# Altium PCB mb1260.PcbDoc (part 4 of 7) (continued)
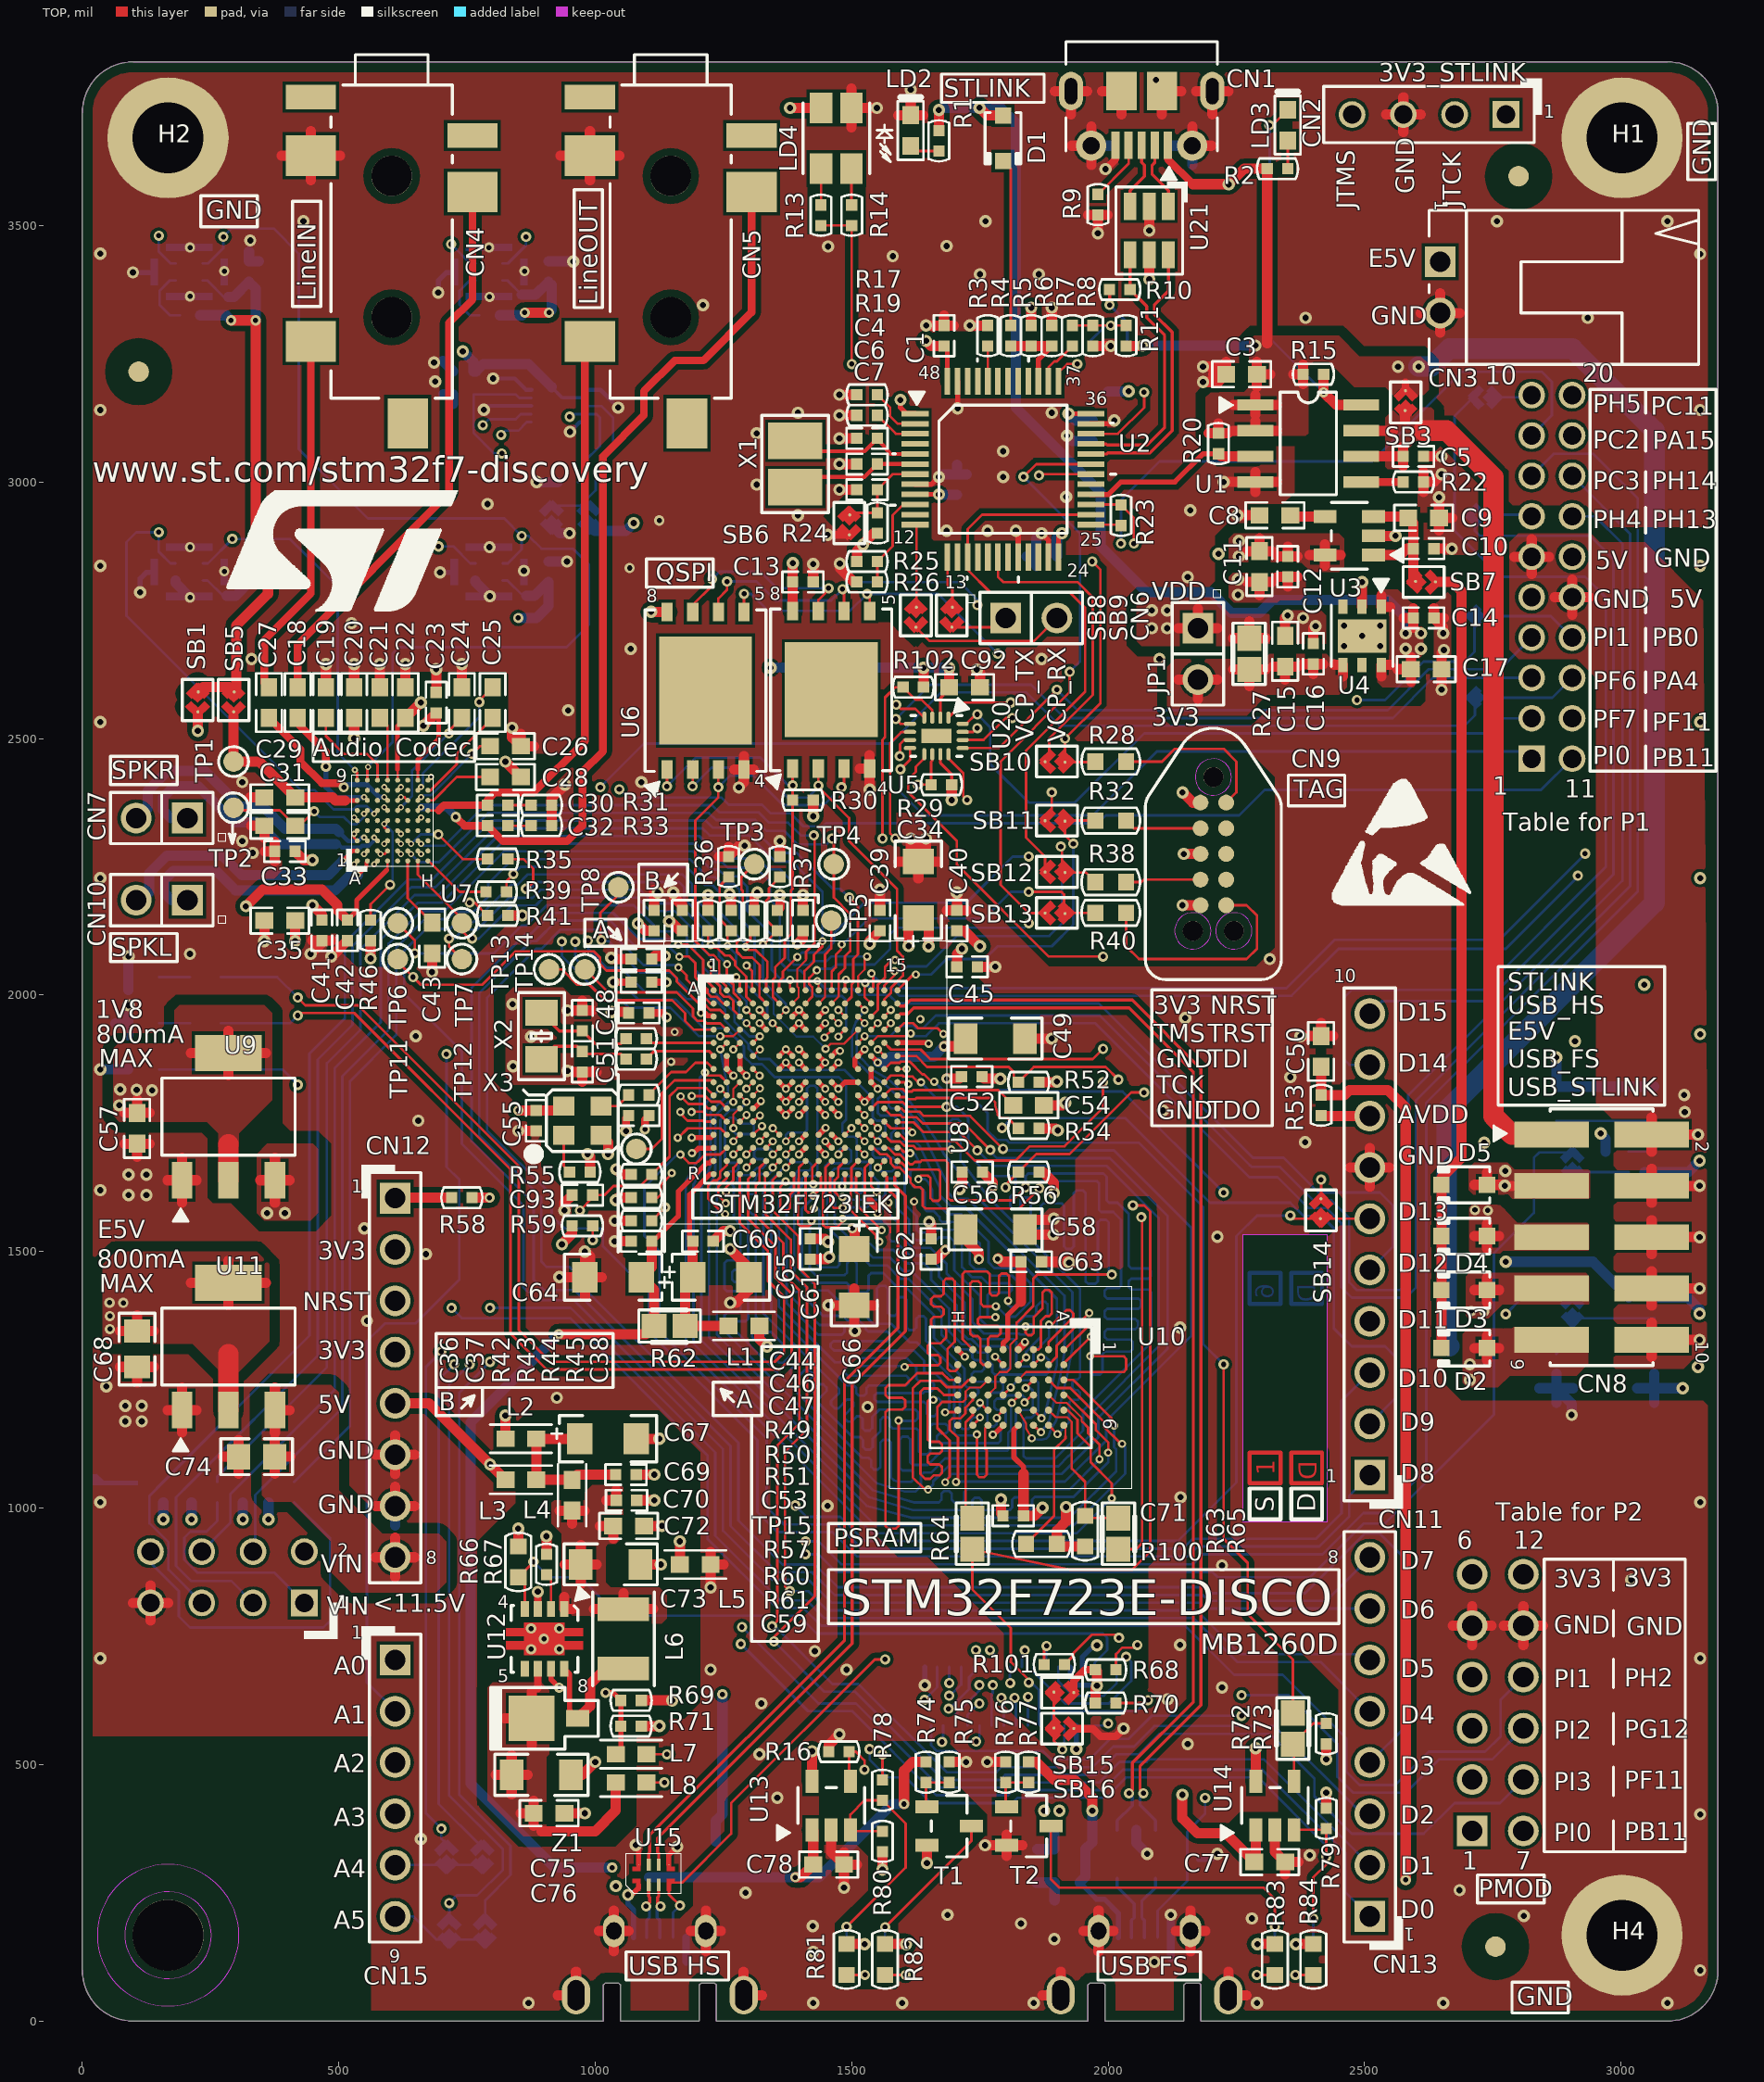
[diagram p0: TOP view]
## Nets (pads, with @x,y where several pads share a name; then routed paths per layer and width w, separated by ;. In a path a pad name is that pad's centre, name@x,y a point inside that pad or via, vN(x,y) a via of type N, cw(c..) or ccw(c..) an arc to the next point about the centre after c; other vN are vias at no path point) (continued)
  TOP w5: U8.C13@1537.95,1957.95 1551.04,1971.04 1551.04,2020.04 1565,2034 1565,2054.75 1570,2059.75 1570,2060 1578.25,2068.25 v3(1584.37,2068.25) ; U20.1@1688.62,2540.62 1718,2570 v2(1810,2570)
  L4_SIG w4: v3(1584.37,2068.25) 1590,2073.88 1590,2135 1795,2340 1795,2555 v2(1810,2570)
PMOD_SPI2_NSS: U8.E14 U20.9 | length 1254.8
  TOP w5: U8.E14@1563.54,1906.77 1576.63,1893.68 1634.49,1893.68 1653.17,1875 1970,1875 v2(1990,1895) ; U20.9@1641.38,2469.38 1641.38,2461.38 1625,2445 1625,2435 1610,2420 1610,2395 1705,2300 1705,2254 1884,2075 v2(1990,2075)
  L4_SIG w4: v2(1990,1895) v2(1990,2075)
PMOD_SPI2_SCK: U8.D14 U20.14 | length 843.6
  TOP w5: U8.D14@1563.54,1932.36 v3(1576.27,1945.09) ; U20.14@1716.37,2497.13 1757.13,2497.13 1800,2540 v2(1813,2540)
  L4_SIG w4: v3(1576.27,1945.09) 1590.25,1959.07 1590.25,1977.01 1675,2061.76 1675,2140 1785,2250 1785,2310 1835,2360 1835,2518 v2(1813,2540)
PMOD_UART7_CTS: U8.L2 U20.7 | length 1250.2
  TOP w5: v3(1187.77,1772) 1188.48,1772 1188.98,1772.5 1210.23,1772.5 1216.41,1766.32 1243.37,1766.32 U8.L2@1256.46,1753.23 ; v2(1593.67,2465.52) 1594.13,2465.98 1594.13,2489.13 1602.13,2497.13 U20.7@1613.63,2497.13
  L4_SIG w4: v3(1187.77,1772) 1202,1786.23 1202,1835 1199,1838 1199,1857 1225,1883 1225,1965.8 1211.8,1979 1211,1979 1145,2045 1126,2045 1117,2054 1117,2154 1097.51,2173.49 1097.51,2217.51 1240,2360 1305,2360 1390,2445 1490,2445 1510.52,2465.52 v2(1593.67,2465.52)
PMOD_UART7_RTS: U8.L3 U20.12 | length 1364.6
  TOP w4: U8.L3@1282.05,1753.23 1294.78,1765.96 v3(1294.91,1765.96)
  TOP w5: U20.12@1688.62,2469.38 1688.62,2461.38 1717.5,2432.5 1717.5,2387.5 v2(1725,2380)
  L4_SIG w4: v3(1294.91,1765.96) 1308.08,1779.13 1335,1779.13 1339,1783.13 1339,1828.68 1343,1832.68 1343,1854.56 1339,1858.56 1339,1908 1363,1932 1363,1947.98 1341.68,1969.3 1341.68,1975.32 1324,1993 1251,1993 1204,2040 1204,2184.12 1201,2187.12 1201,2261 1261,2321 1326.54,2321 1335,2329.46 1444.46,2329.46 1480,2365 1640,2365 1675,2400 1705,2400 v2(1725,2380)
PMOD_UART7_RXD: U8.K2 U20.4 | length 1286.1
  TOP w5: v3(1188,1803) 1214.6,1803 1225.69,1791.91 1243.37,1791.91 U8.K2@1256.46,1778.82 ; v2(1587,2566) 1595,2558 1624,2558 U20.4@1641.38,2540.62
  L4_SIG w4: v3(1188,1803) 1187,1804 1187,1861.98 1199,1873.98 1199,1945 1180.35,1963.65 1180.35,1975.61 1153.96,2002 1124,2002 1104,2022 1104,2147 1079,2172 1079,2223 1229,2373 1298,2373 1385,2460 1481,2460 v2(1587,2566)
PMOD_UART7_TXD: U8.K1 U20.15 | length 1474.7
  TOP w5: v3(1166.47,1802.53) 1181.5,1787.5 1211.32,1787.5 1220,1778.82 U8.K1@1230.87,1778.82 ; U20.15@1716.37,2512.87 1736.87,2512.87 1744,2520 v2(1745,2520)
  L4_SIG w4: v3(1166.47,1802.53) 1173,1809.06 1173,1809.22 1175,1811.22 1175,1866.96 1184,1875.96 1184,1943 1168.35,1958.65 1168.35,1970.63 1153.25,1985.73 1116.27,1985.73 1072,2030 1072,2096 1056,2112 1056,2224 1217,2385 1290,2385 1380,2475 1470,2475 1580,2585 1679,2585 1744,2520 v2(1745,2520)
PSRAM_A0: R101.1 U8.E2 U10.A3 | length 2391.5
  TOP w5: v3(1243.73,1894.04) U8.E2@1256.46,1906.77 ; U10.A3@1913.35,1249.76 1932.24,1249.76 2005.5,1176.5 v3(2011.5,1161) ; R101.1@1915,695 1932.5,712.5 1932.5,717.5 1968,753 2015,753 v2(2021.02,746.98)
  L4_SIG w4: v3(2011.5,1161) 2015,1161 2043,1133 2043,768.96 v2(2021.02,746.98)
  BOTTOM w5: v3(1243.73,1894.04) 1255,1834 1259,1821.2 1259,1806 1225,1772 1225,1668 1207.03,1624.79 1206.7,1624 1206.7,1326.86 1529.28,1004.28 1617,981 1925,981 2015.5,1071.5 2015.5,1114.43 2011.5,1118.43 v3(2011.5,1161)
PSRAM_A1: U8.H3 U10.A4 | length 1727.7
  TOP w4: v3(1269.13,1791.62) 1269.13,1817.08 U8.H3@1282.05,1830
  TOP w5: U10.A4@1913.35,1220.24 1918.76,1220.24 1976,1163 1976,1152 2000,1128 v3(2000,1108)
  BOTTOM w5: v3(1269.13,1791.62) 1260.62,1791.62 1234,1765 1234,1655 1221.7,1624.7 1221.7,1333.08 1533.28,1021.5 1619.11,996 1730,996 1735,1001 1735,1015 1740,1020 1748.5,1020 1753.5,1015 1753.5,1001 1758.5,996 1807.84,996 1812.84,1001 1812.84,1016 1817.84,1021 1827.84,1021 1832.84,1016 1832.84,1001 1837.84,996 1846.84,996 1851.84,1001 1851.84,1016.5 1856.84,1021.5 1932.5,1021.5 2000,1089 v3(2000,1108)
PSRAM_A2: U8.H2 U10.A5 | length 1820.5
  TOP w5: v3(1214,1849) 1219.91,1843.09 1243.37,1843.09 U8.H2@1256.46,1830 ; U10.A5@1913.35,1190.71 1921.26,1190.71 1940,1171.97 1940,1145.56 1966,1119.56 1966,1089 2007,1048 v3(2007,1019)
  BOTTOM w5: v3(1214,1849) 1203.5,1838.5 1203.5,1684.8 1200,1678.56 1176.7,1637 1176.7,1314.3 1540,951 1939,951 v3(2007,1019)
PSRAM_A3: U8.J2 U10.B3 | length 1823.7
  TOP w4: v3(1243.79,1817.2) 1256.46,1804.53 U8.J2@1256.46,1804.41
  TOP w5: U10.B3@1883.82,1249.76 1899.58,1234 1926.22,1234 1991,1169.22 1991,1159 2024.85,1125.15 v3(2027,1125.15)
  BOTTOM w4: 1216,1789.41 v3(1243.79,1817.2)
  BOTTOM w5: 1216,1789.41 1216,1676.08 1200,1646.4 1191.7,1631 1191.7,1320.64 1546.34,966 1932,966 2033,1067 2033,1119.15 v3(2027,1125.15)
PSRAM_A4: U8.J3 U10.B4 | length 1632.9
  TOP w4: U8.J3@1282.05,1804.41 1293,1793.46 1293,1793.33 v3(1294.72,1791.61) ; U10.B4@1883.82,1220.24 1899.06,1205 1919,1205 1948.5,1175.5 1948.5,1169.28 1950,1167.78
  TOP w5: 1950,1167.78 1961,1156.78 1961,1145.78 1983,1123.78 v3(1983,1095)
  BOTTOM w5: v3(1294.72,1791.61) 1294.72,1789.72 1280.94,1775.94 1262.99,1775.94 1244,1756.95 1244,1647 1237,1625 1237,1339 1541.2,1034.8 1621.34,1011 1670,1011 1675,1016 1675,1028 1680,1033 1690,1033 1695,1028 1695,1016 1700,1011 1715,1011 1720,1016 1720,1031.5 1725,1036.5 1924.5,1036.5 v3(1983,1095)
PSRAM_A5: U8.K3 U10.C3 | length 1634.6
  TOP w4: v3(1269.27,1740.45) 1269.27,1767.27 1280.82,1778.82 U8.K3@1282.05,1778.82
  TOP w5: v3(1839,1234) 1839,1234.47 U10.C3@1854.29,1249.76
  BOTTOM w5: v3(1269.27,1740.45) 1269.27,1734 1274.27,1729 1304.18,1729 1309.18,1734 1309.18,1745.82 1305.64,1749.36 1282.64,1749.36 1271,1761 1263,1761 1253,1751 1253,1678 1258,1673 1274,1673 1279,1668 1279,1661 1274,1656 1260,1656 1255,1651 1255,1637 1260,1632 1264.95,1632 1269.95,1627 1269.95,1566.05 1283,1553 1283,1487.55 1278,1482.55 1257,1482.55 1252,1477.55 1252,1427.55 1257,1422.55 1278,1422.55 1283,1417.55 1283,1385.5 1278,1380.5 1256.5,1380.5 1252,1376 1252,1345.22 1549.12,1048.1 1603.36,1032 1624,1032 1635,1043 1635,1064 1640,1069 1654.56,1069 1682.06,1096.5 1814.5,1096.5 1820,1102 1820,1186 1825,1191 1848,1191 1853,1196 1853,1228.99 1848,1233.99 v3(1839,1234)
PSRAM_A6: U8.P6 U10.C4 | length 1638.6
  TOP w5: v3(1346.09,1663.6) 1358.82,1676.33 U8.P6@1358.82,1676.46 ; v3(1837.06,1205.75) 1851.55,1220.24 U10.C4@1854.29,1220.24
  BOTTOM w5: 1326.92,1334.5 1319.74,1327.32 1312.68,1327.32 1305.61,1334.39 1305.61,1342.61 1321.53,1358.53 1321.53,1364.47 1313,1373 1313,1567.44 1308,1572.44 1306,1572.44 1299.95,1578.49 1299.95,1588.39 1304,1592.44 1308,1592.44 1313,1597.44 1313,1607 1308,1612 1301,1612 1296,1617 1296,1630 1301,1635 1308,1635 1313,1640 1313,1647 1317,1651 1339,1651 1346.09,1658.09 v3(1346.09,1663.6) ; 1326.94,1334.5 1335.68,1343.24 1342.76,1343.24 1366.81,1319.19 1366.81,1312.11 1351.89,1297.19 1351.89,1290.11 1358.96,1283.04 1366.04,1283.04 1380.96,1297.96 1388.04,1297.96 1395.11,1290.89 1395.11,1283.81 1380.19,1268.89 1380.19,1261.81 1387.26,1254.74 1394.34,1254.74 1409.26,1269.66 1416.34,1269.66 1423.41,1262.59 1423.41,1255.51 1408.49,1240.59 1408.49,1233.51 1415.56,1226.44 1422.64,1226.44 1437.56,1241.36 1444.64,1241.36 1450.96,1235.04 1450.96,1227.96 1435.01,1212.01 1435.01,1204.65 1501.66,1138 1517,1138 1522,1133 1522,1119 1527,1114 1536,1114 1541,1119 1541,1135 1556,1150 1556,1172 1561,1177 1570,1177 1575,1172 1575,1160 1580,1155 1626,1155 1631,1150 1631,1110 1636,1105 1648,1105 1653,1110 1653,1159 1658,1164 1683,1164 1688,1159 1688,1150 1683,1145 1671,1145 1666,1140 1666,1131.51 1671,1126.51 1682.05,1126.51 1785.5,1126.5 1790,1131 1790,1155 1800,1165 1800,1186 1795,1191 1783,1191 1778,1196 1778,1208 1783,1213 1797,1213 1803.4,1219.4 1833,1219.4 1837.06,1215.34 v3(1837.06,1205.75)
PSRAM_A7: U8.N6 U10.D4 | length 1637.2
  TOP w5: v3(1346.09,1689.19) 1358.82,1701.92 U8.N6@1358.82,1702.05 ; v3(1812.11,1204.9) 1824.76,1217.55 U10.D4@1824.76,1220.24
  BOTTOM w5: v3(1346.09,1689.19) 1346.09,1695 1341.09,1700 1315,1700 1310,1695 1310,1685 1315,1680 1327,1680 1331.59,1675.41 1331.59,1668 1326.59,1663 1315,1663 1306.1,1654.1 1306,1654.1 1301,1649.1 1282,1649.1 1277,1644.1 1277,1636 1284.95,1628.05 1284.95,1572.27 1298,1559.22 1298,1469 1293,1464 1271,1464 1267,1460 1267,1445 1271,1441 1293,1441 1298,1436 1298,1369 1293,1364 1274,1364 1269,1359 1269,1349.44 1520.44,1098 1533,1098 1538,1093 1538,1080.44 1543.44,1075 1551,1075 1556,1080 1556,1128 1561,1133 1571,1133 1576,1128 1576,1060 1582,1054 1592.11,1051 1616,1051 1620,1055 1620,1069 1616,1073 1599,1073 1594,1078 1594,1134 1599,1139 1609,1139 1614,1134 1614,1089.01 1619,1084.01 1648.35,1084.01 1675.84,1111.5 1802.5,1111.5 1805,1114 1805,1146.22 1810.36,1151.58 1810.36,1203.15 v3(1812.11,1204.9)
PSRAM_A8: U8.R7 U10.H2 | length 1635.3
  TOP w5: v3(1371.26,1636.74) 1361,1626.48 1361,1585.88 1366.88,1580 1375,1580 1380,1585 1380,1611.22 1387.5,1618.72 1387.5,1645.82 1388,1646.32 1388,1647.87 1385,1650.87 U8.R7@1384.41,1650.87 ; v3(1603,1275) 1606,1278 1668,1278 1673,1283 1673,1293 1668,1298 1653,1298 1648,1303 1648,1316 1653,1321 1673,1321 1684,1332 1684,1347.54 1679,1352.54 1660,1352.54 1655,1357.54 1655,1367.54 1660,1372.54 1674,1372.54 1679,1377.54 1679,1387.54 1674,1392.54 1660,1392.54 1655,1397.54 1655,1407.54 1660,1412.54 1674,1412.54 1679,1417.54 1679,1442 1684,1447 1696,1447 1701,1442 1701,1324 1686.65,1309.65 1686.65,1272 1691.65,1267 1701.65,1267 1706.65,1272 U10.H2@1706.65,1279.29
  BOTTOM w5: v3(1371.26,1636.74) 1371.13,1636.74 1371,1636.61 1353.34,1636.61 1343,1626.27 1343,1387.22 1491.22,1239 1504,1239 1509,1234 1509,1224 1514,1219 1524,1219 1529,1224 1529,1234 1534,1239 1542.76,1239 1555.19,1239.01 1606,1239 1611,1244 1611,1253 1606,1258 1492,1258 1487,1263 1487,1272 1492,1277 1601,1277 v3(1603,1275)
PSRAM_A9: U8.P7 U10.H3 | length 1644.5
  TOP w5: v3(1371.61,1663.54) 1371.61,1663.66 U8.P7@1384.41,1676.46 ; v3(1591.5,1170.5) 1591.5,965 1586.5,960 1571,960 1566,965 1566,1187 1571,1192 1599,1192 1604,1197 1604,1210 1599,1215 1571,1215 1566,1220 1566,1234.22 1571,1239.22 1604,1239.22 1627.78,1263 1676.77,1263 1690.01,1249.76 U10.H3@1706.65,1249.76
  BOTTOM w5: v3(1371.61,1663.54) 1367.54,1663.54 1328,1624 1328,1379.22 1475.73,1231.49 1475.73,1224.41 1459.7,1208.38 1459.7,1201.52 1466.99,1194.23 1473.85,1194.23 1490.77,1211.15 1497.85,1211.15 1503.42,1205.58 1503.42,1198.5 1486.5,1181.58 1486.5,1174.5 1492.46,1168.54 1499.54,1168.54 1510,1179 1516,1179 1521,1174 1521,1156 1526,1151 1535,1151 1540,1156 1540,1178 1554,1192 1624,1192 1629,1187 1629,1175 1624,1170 1592,1170 v3(1591.5,1170.5)
PSRAM_A10: U8.N7 U10.H4 | length 1629.6
  TOP w4: v3(1371.68,1689.19) 1384.41,1701.92 U8.N7@1384.41,1702.05
  TOP w5: v3(1659,1211) 1651,1211 1648,1208 1648,1134 1653,1129 1671,1129 1676,1124 1676,1111 1671,1106 1653,1106 1648,1101 1648,1090 1653,1085 1671,1085 1676,1080 1676,1068.56 1671,1063.56 1659.56,1063.56 1653,1057 1643.22,1057 1634,1066.22 1634,1226.78 1640.22,1233 1667,1233 1679.76,1220.24 U10.H4@1706.65,1220.24
  BOTTOM w5: v3(1371.68,1689.19) 1371.68,1683.98 1381.66,1674 1417,1674 1422,1669 1422,1663 1417,1658 1396,1658 1391,1653 1391,1635 1376.01,1620.01 1362,1620.01 1358,1616.01 1358,1393.44 1467.44,1284 1477.78,1284 1485.78,1292 1608,1292 1626,1274 1626,1252 1631,1247 1655,1247 1660,1242 1660,1232 1655,1227 1642,1227 1639,1224 1548.98,1224 1544,1219.02 1544,1211.98 1548.98,1207 1641,1207 1646,1202 1646,1184 1651,1179 1661,1179 1666,1184 1666,1195 1673.63,1202.63 1673.63,1209.37 1668.87,1214.13 1662.13,1214.13 v3(1659,1211)
PSRAM_A11: U8.M7 U10.H5 | length 1633.1
  TOP w4: v3(1371.55,1714.78) U8.M7@1384.41,1727.64
  TOP w5: v3(1682,1186.5) 1682.5,1187 1702.94,1187 U10.H5@1706.65,1190.71
  BOTTOM w5: v3(1371.55,1714.78) 1371.55,1727 1376.55,1732 1408,1732 1413,1737 1413,1818 1418,1823 1428,1823 1433,1818 1433,1652 1428,1647 1408,1647 1403,1642 1403,1627.66 1373,1597.66 1373,1399.66 1434.66,1338 1481,1338 1486,1343 1486,1351.92 1481,1356.92 1437.08,1356.92 1385.04,1408.96 1385.04,1416.04 1390.46,1421.46 1397.54,1421.46 1444,1375 1482,1375 1492,1365 1515,1365 1527,1353 1527,1349 1532,1344 1569,1344 1574,1339 1574,1330 1569,1325 1464,1325 1459,1320 1459,1313.66 1465.66,1307 1621.34,1307 1641,1287.34 1641,1267 1646,1262 1663,1262 1690.01,1234.99 1690.01,1194.51 v3(1682,1186.5)
PSRAM_A12: U8.L15 U10.G3 | length 1775.9
  TOP w5: U8.L15@1589.13,1753.23 1590.36,1752 1620,1752 1639,1733 1708.99,1733 v2(1745,1696.99) ; v3(1649,1036) 1643,1036 1619,1060 1619,1233 1634,1248 1673,1248 1685,1236 1714,1236 1727.76,1249.76 U10.G3@1736.18,1249.76
  BOTTOM w5: v3(1649,1036) 1658.78,1045.78 1658.78,1052 1688.28,1081.5 1902.94,1081.5 1922.44,1101 1923.05,1101 1966,1143.95 1966,1182.44 2098.5,1314.94 2098.5,1565.5 1997,1667 1774.99,1667 v2(1745,1696.99)
PSRAM_A13: U8.K15 U10.G4 | length 1683.9
  TOP w5: U8.K15@1589.13,1778.82 1596.9,1778.82 1603.02,1772.68 1632.32,1772.68 1640.59,1764.41 1730.59,1764.41 v2(1795,1700) ; v3(1703.43,1050.91) 1707,1054.48 1707,1137 1691,1153 1691,1169.68 1696,1174.68 1711.68,1174.68 1721.44,1184.44 1721.44,1195.44 1736.18,1210.18 U10.G4@1736.18,1220.24
  BOTTOM w5: v3(1703.43,1050.91) 1704.02,1051.5 1915.99,1051.5 1996,1131.51 1996,1170 2162,1336 2162,1546 2011,1697 1798,1697 v2(1795,1700)
PSRAM_A14: U8.K14 U10.F3 | length 1755.6
  TOP w4: 1693,1206.74 1717,1206.74 1722,1211.74 1722,1227 1730,1235 1750.95,1235 U10.F3@1765.71,1249.76
  TOP w5: U8.K14@1563.54,1778.82 1576.4,1765.96 1595.04,1765.96 1599,1762 1626,1762 1638.59,1749.41 1718.59,1749.41 v2(1770,1698) ; v3(1682.44,1050.2) 1682.44,1051.85 1691,1060.41 1691,1131.78 1667,1155.78 1667,1197.07 1676.67,1206.74 1693,1206.74
  BOTTOM w5: v3(1682.44,1050.2) 1682.44,1054.44 1694.5,1066.5 1909.77,1066.5 1981,1137.73 1981,1176.22 2116,1311.22 2116,1569 2113.5,1571.5 2113.5,1571.72 2003.22,1682 1783,1682 1770,1695 v2(1770,1698)
PSRAM_A15: U8.K13 U10.F4 | length 1778.9
  TOP w4: U10.F4@1765.71,1220.24 1780,1234.53 1780,1256 1789,1265 1803,1265 1809.25,1271.25 1809.25,1318.25 1821.5,1330.5
  TOP w5: U8.K13@1537.95,1778.82 1550.45,1791.32 1599.37,1791.32 1608.78,1781.91 v2(1685,1781.91) ; 1821.5,1330.5 1821.5,1361.5 1854,1394 1854,1447 1862,1455 v2(2007,1455)
  BOTTOM w5: v2(1685,1781.91) 1705.09,1781.91 1727,1760 1727,1689 1769,1647 1814,1647 1819,1642 1819,1617 1809,1607 1809,1588 1814,1583 1824,1583 1829,1588 1829,1600 1834,1605 1843.9,1605 1848.9,1600 1848.9,1549 1853.9,1544 1863.9,1544 1868.9,1549 1868.9,1589 1873.9,1594 1909,1594 1914,1589 1914,1510 1919,1505 1928,1505 1933,1510 1933,1614 1938,1619 1951,1619 1956,1614 1956,1442 1961,1437 1975,1437 1980,1442 1980,1557 1985,1562 1996,1562 2001,1557 2001,1460 2006,1455 v2(2007,1455)
PSRAM_A16: U8.N14 U10.E4 | length 1633
  TOP w5: U8.N14@1563.54,1702.05 1571.45,1702.05 1584.54,1688.96 1594.31,1688.96 1601.63,1681.64 1601.63,1681.51 1613.14,1670 1618.78,1670 1623.49,1674.71 1633.72,1674.71 1637.01,1678 1682.53,1678 1687.53,1673 1687.53,1604.5 1692.53,1599.5 1813.5,1599.5 v2(1839,1625) ; U10.E4@1795.24,1220.24 v3(1810,1235)
  BOTTOM w5: v3(1810,1235) 1824,1249 1859,1249 1864,1244 1864,1189.81 1855.35,1181.16 1855.35,1181 1850.35,1176 1840,1176 1835,1171 1835,1101.5 1840,1096.5 1896.72,1096.5 1951,1150.78 1951,1190 2083.5,1322.5 2083.5,1421 2078.5,1426 2045,1426 2040,1431 2040,1442.15 2045,1447.15 2078,1447.15 2083,1452.15 2083,1462.15 2078,1467.15 2045,1467.15 2040,1472.15 2040,1573.25 2018.25,1595 2002,1595 1997,1600 1997,1645.78 1990.78,1652 1844,1652 1839,1647 v2(1839,1625)
PSRAM_A17: U8.N13 U10.D3 | length 1699
  TOP w4: U10.D3@1824.76,1249.76 1840,1265 1950,1265
  TOP w5: U8.N13@1537.95,1702.05 1542.95,1702.05 1555.45,1689.55 1568.13,1689.55 1576.04,1681.64 1576.04,1671.87 1583.95,1663.96 1593.72,1663.96 1614.5,1643.18 1614.5,1634.57 1623.57,1625.5 1633.44,1625.5 1638.44,1620.5 1638.44,1589 1643.44,1584 1827,1584 v2(1866,1623) ; 1950,1265 2030,1265 2035,1270 2035,1291 2030,1296 v3(1965,1296)
  BOTTOM w5: v2(1866,1623) 1866,1633 1870,1637 1978,1637 1982,1633 1982,1581.53 1986.53,1577 2010,1577 2025,1562 2025,1433.47 2020,1428.47 1998,1428.47 1993,1423.47 1993,1413.47 1998,1408.47 2059,1408.47 2064,1403.47 2064,1393.47 2059,1388.47 1998,1388.47 1993,1383.47 1993,1373.47 1998,1368.47 2053,1368.47 2058,1363.47 2058,1353.47 2053,1348.47 1998,1348.47 1993,1343.47 1993,1333.47 1998,1328.47 2043,1328.47 2048,1323.47 2048,1310 2043,1305 1994,1305 1989,1300 1989,1265 1984,1260 1970,1260 1965,1265 v3(1965,1296)
PSRAM_NBL0: U8.A4 U10.A1 | length 2095
  TOP w5: v3(1295.26,2057.26) 1305.73,2046.79 1305.73,2011.04 U8.A4@1307.64,2009.13 ; U10.A1@1913.35,1308.82 1914.82,1308.82 v3(1964,1358)
  L4_SIG w4: v3(1295.26,2057.26) 1304,2057.26 1309,2062.26 1309,2145 1314,2150 1337,2150 1342,2145 1342,2062.26 1347,2057.26 1354,2057.26 1359,2062.26 1359,2149 1364,2154 1372,2154 1377,2149 1377,2062.26 1382,2057.26 1411,2057.26 1416,2062.26 1416,2129 1421,2134 1455,2134 1460,2129 1460,2018 1431,1989 1431,1915 1423,1907 1423,1677 1443,1657 1491.68,1657 1535,1613.68 1535,1610.2 1543.2,1602 1554.8,1602 1562.28,1609.48 1578.53,1609.48 1586.73,1601.28 1586.73,1549.67 1616,1520.4 1616,1520.3 1617.49,1518.81 1617.49,1464.51 1629,1453 1862,1453 1886,1429 1886,1401 1891,1396 1903,1396 1908,1401 1908,1428 1913,1433 1965,1433 2008,1390 2008,1363 2003,1358 v3(1964,1358)
PSRAM_NBL1: U8.A3 U10.B2 | length 2090.4
  TOP w5: v3(1275.03,2035.03) v3(1275.03,2035.03) 1282.05,2027.95 U8.A3@1282.05,2009.13 ; U10.B2@1883.82,1279.29 1899.53,1295 1899.53,1316.64 v3(1962.89,1380)
  L4_SIG w4: v3@1275.06,2035 1305,2035 1315,2045 1397,2045 1402,2040 1402,2024 1423,2003 1423,1921 1413,1911 1413,1672 1440,1645 1483.19,1645 1534.19,1594 1553.15,1594 1565.68,1581.47 1570.33,1581.47 1574.18,1577.62 1574.18,1545.24 1604,1515.42 1604,1348.69 1608.69,1344 1615.31,1344 1620,1348.69 1620,1436 1625,1441 1631,1441 1636,1436 1636,1348.69 1640.69,1344 1647.31,1344 1652,1348.69 1652,1436 1657,1441 1663,1441 1668,1436 1668,1348.69 1672.69,1344 1679.31,1344 1684,1348.69 1684,1436.31 1688.69,1441 1695.31,1441 1700,1436.31 1700,1386.69 1704.69,1382 1711.31,1382 1716,1386.69 1716,1436 1721,1441 1857,1441 1874,1424 1874,1385 1879,1380 v3(1962.89,1380)
PSRAM_NE1: R65.1 U8.A11 | length 1764.3
  TOP w5: U8.A11@1486.77,2009.13 1486.77,2028.14 v3(1488.63,2030) ; R65.1@2020,919.49 2054.49,919.49 2066,931 2066,1565.5 v2(2064.5,1567)
  L4_SIG w4: v3(1488.63,2030) 1488.63,2069 1493.63,2074 1504.53,2074 1509.53,2069 1509.53,1888.47 1544,1854 1600,1812.41 1712.77,1812.41 1716.77,1816.41 1716.77,1839 1720.77,1843 1728.77,1843 1732.77,1839 1732.77,1816.41 1736.77,1812.41 1744.77,1812.41 1748.77,1816.41 1748.77,1839 1752.77,1843 1760.77,1843 1764.77,1839 1764.77,1816.41 1768.77,1812.41 1794.59,1812.41 1895,1712 1955,1712 2066.5,1600.5 2066.5,1569 v2(2064.5,1567)
PWR_ENN: R20.1 U1.3 U2.28 | length 355.3
  TOP w10: U2.28@1966.26,2975.79 2000.79,2975.79 2025,3000 2130,3000 2185,3055 R20.1@2215,3055
  TOP w20: R20.1@2215,3055 2220,3050 U1.3@2286.7,3050
PWR_EXT: R4.1 R5.1 R6.2 U2.39 | length 159.6
  TOP w10: U2.39@1863.9,3196.26 1863.9,3238.9 R6.2@1890,3265
  TOP w20: R4.1@1810,3265 R5.1@1850,3265 R6.2@1890,3265
QSPI_CLK: U5.6 U6.6 U8.M6 | length 2309.2
  TOP w5: U6.6@1240,2746.84 1240,2773 1257,2790 v2(1257,2806) ; v3(1346.09,1740.5) 1346.09,1740.37 U8.M6@1358.82,1727.64 ; v2(1482,2791) 1485,2788 U5.6@1485,2748.54
  L4_SIG w4: v3(1346.09,1740.5) 1355,1749.41 1355,1820.39 1361,1826.39 1361,1859.2 1355,1865.2 1355,1898 1369,1912 1402.68,1912 1414,1923.32 1414,1988 1387,2015 1275.26,2015 1261.03,2029.23 1261.03,2041.03 1275,2055 1275,2105 1289,2119 1289,2224 1320,2255 1460,2255 1540,2335 1730,2335 1780,2385 1780,2644 1727.62,2696.38 1727.62,2742.62 v2(1745,2760)
  BOTTOM w5: v2(1257,2806) 1314,2806 1351,2769 1460,2769 v2(1482,2791) 1496,2805 1710.24,2805 1745,2770.24 v2(1745,2760)
QSPI_D0: U5.5 U6.5 U8.F14 | length 1672.6
  TOP w5: U6.5@1290,2746.84 v2(1290,2782) ; v2(1530,2782) 1535,2777 U5.5@1535,2748.54 ; v3(1550.62,1893.98) 1563.42,1881.18 U8.F14@1563.54,1881.18
  L4_SIG w4: v3(1550.62,1893.98) 1550.62,1895.62 1603.3,1948.3 1603.3,1972.35 1621.95,1991 1780,1991 1800,2011 1800,2305 1848,2353 1848,2602 v2(1785,2665)
  BOTTOM w5: v2(1290,2782) 1304,2782 1337,2749 1497,2749 v2(1530,2782) 1668,2782 v2(1785,2665)
QSPI_D1: U5.2 U6.2 U8.B14 | length 870.2
  TOP w5: v2(1189.68,2406.7) 1190,2407.02 U6.2@1190,2439.76 ; U5.2@1435,2441.46 v2(1435,2408) 1435,2405 1495,2345 1495,2300 1588.4,2206.6 1588.4,2086.17 1599.96,2074.61 1599.96,2037.64 1576.63,2014.31 1576.63,2004.54 1563.54,1991.45 U8.B14@1563.54,1983.54
  BOTTOM w5: v2(1189.68,2406.7) 1190.7,2406.7 1227,2443 1317,2443 1375,2385 1415,2385 1435,2405 v2(1435,2408)
QSPI_D2: U5.3 U6.3 U8.A2 | length 806.2
  TOP w5: U6.3@1240,2439.76 v2(1240,2405) 1240,2385 1195,2340 1195,2105 1222,2078 1230.43,2078 1241.5,2066.93 1241.5,2031.23 1255,2017.73 1255,2010.59 U8.A2@1256.46,2009.13 ; v2(1480,2405) 1485,2410 U5.3@1485,2441.46
  BOTTOM w5: v2(1240,2405) 1263,2428 1308.22,2428 1366.22,2370 1445,2370 v2(1480,2405)
QSPI_D3: U5.7 U6.7 U8.M15 | length 2675.5
  TOP w5: U6.7@1190,2746.84 1190,2760 1228,2798 v2(1228,2811) ; U5.7@1435,2748.54 1435,2770 1455,2790 v2(1455,2793) ; U8.M15@1589.13,1727.64 1594.35,1727.64 1607,1715 1702,1715 1739.5,1677.5 1819.5,1677.5 1847,1705 1915,1705 1990,1780 v2(1990,1830)
  L4_SIG w4: v2(1455,2793) 1482,2820 1525,2820 1629,2924 2046.65,2924 2070,2900.65 2070,2839 2021,2790 2021,1861 v2(1990,1830)
  BOTTOM w5: v2(1228,2811) 1242,2825 1322,2825 1354,2793 v2(1455,2793)
QSPI_NCS: R30.1 U5.1 U6.1 U8.B6 | length 803
  TOP w5: v2(1140,2406.76) U6.1@1140,2439.76 ; U8.B6@1358.82,1983.54 1346.32,1996.04 1346.32,2029.37 1350.73,2033.78 1350.73,2053.73 1369.49,2072.49 1369.49,2106.31 1381.5,2118.32 1381.5,2203.33 1385,2206.83 R30.1@1385,2380 v2(1385,2408.46) U5.1@1385,2441.46
  BOTTOM w5: v2(1140,2406.76) 1196.24,2463 1322,2463 1376.54,2408.46 v2(1385,2408.46)
REXT_OTGPHY: R54.1 U8.J15 | length 274.4
  TOP w5: U8.J15@1589.13,1804.41 1592.54,1801 1604.69,1801 1608.78,1796.91 1623.64,1796.91 1626.22,1799.49 1770.51,1799.49 1780,1790 1780,1784 1785,1766 1791,1760 1805,1760 R54.1@1825,1740
SAI2_FS_A: TP11.1 U7.E3 U8.C2 | length 1069.6
  TOP w5: U7.E3@614.84,2300.63 v4(621.14,2294.33) ; TP11.1@615,2070 615,2065 v2(645,2035) 660,2020 780,2020 845,2085 997.5,2085 1009.48,2073.02 1009.48,2059.97 1021.95,2047.5 1144.79,2047.5 1159,2033.29 1159,2026 1200,1985 1210,1985 1224,1971 1243.41,1971 U8.C2@1256.46,1957.95
  L4_SIG w4: v4(621.14,2294.33) 609,2282.19 609,2256 675,2190 675,2065 v2(645,2035)
SAI2_I2C1_SCL: R39.1 R44.2 U8.A5 | length 745.3
  TOP w5: R39.1@827,2201 827,2221.5 840.5,2235 v2(840.5,2235.67) ; R44.2@1310,2125 1302.5,2117.5 1302.5,2108.28 1293,2098.78 v3(1293,2093.94) 1298.94,2088 1312.15,2088 1335.73,2064.42 1335.73,2033.78 1333.23,2031.28 U8.A5@1333.23,2009.13
  BOTTOM w5: v2(840.5,2235.67) 854.83,2250 1178,2250 1213.5,2214.5 1228.08,2214.5 1242.5,2200.08 1242.5,2160.96 1272,2131.46 1272,2121 1293,2100 v3(1293,2093.94)
SAI2_I2C1_SDA: R35.1 R42.2 U8.B4 | length 742
  TOP w5: R35.1@830,2265 860,2265 879,2246 879,2219.24 866.76,2207 v2(865,2207) ; R42.2@1220,2125 1220,2102.5 v3(1225,2097.5) 1229.5,2093 1236.65,2093 1252.65,2077 1261.93,2077 1273,2065.93 1273,2057.58 1294.55,2036.03 1294.55,1996.63 U8.B4@1307.64,1983.54
  BOTTOM w5: v2(865,2207) 874.12,2207 887.12,2220 1163.58,2220 1173.5,2210.08 1173.5,2187.52 1224,2137.02 1224,2098.5 v3(1225,2097.5)
SAI2_INT: U7.G3 U8.B7 | length 1181
  TOP w4: U8.B7@1384.41,1983.54 1396.41,1995.54 1396.41,2014.11 1394,2016.52 1394,2051 1411.1,2068.1 1411.1,2070
  TOP w5: U7.G3@654.21,2300.63 v4(660.51,2294.33) ; 1411.1,2070 1411.1,2084.28 1427.5,2100.68 1427.5,2309.46 v2(1425.96,2311)
  BOTTOM w5: v4(660.51,2294.33) 664.05,2290.79 705.79,2290.79 785,2370 1227.76,2370 1241.76,2356 1318.86,2356 1338.86,2336 1376,2336 1401,2311 v2(1425.96,2311)
SAI2_MCLK_A: TP6.1 U7.D3 U8.D4 | length 1174.9
  TOP w5: v4(588.86,2294.33) U7.D3@595.16,2300.63 ; TP6.1@615,2140 648.21,2106.79 v2(648.21,2081.07) ; v3(1294.97,1945.15) 1302.56,1937.56 1302.56,1937.44 U8.D4@1307.64,1932.36
  L4_SIG w4: v4(588.86,2294.33) 598,2285.19 598,2250.02 663,2185.02 663,2095.86 v2(648.21,2081.07)
  BOTTOM w5: v2(648.21,2081.07) 802.45,2081.07 856.38,2135 865.78,2135 905.78,2175 1075,2175 1126,2124 1173.36,2124 1179,2118.36 1179,2078.56 1195.5,2062.06 1195.5,2047.85 1213.35,2030 1231.78,2030 1236.79,2024.99 1280.28,1981.51 1280.28,1959.84 v3(1294.97,1945.15)
SAI2_SCK_A: TP7.1 U7.G1 U8.C4 | length 916.7
  TOP w5: U7.G1@654.21,2261.26 654.21,2234.79 740,2149 TP7.1@740,2140 740,2125 755,2110 v2(760,2110) ; v3(1294.78,1970.81) U8.C4@1307.64,1957.95
  BOTTOM w5: v2(760,2110) 773.41,2110 837.91,2174.5 884.06,2174.5 899.56,2190 1081.22,2190 1107.72,2163.5 1155.08,2163.5 1194,2124.58 1194,2084.78 1210.5,2068.28 1210.5,2054.07 1219.57,2045 1238,2045 1294.78,1988.22 v3(1294.78,1970.81)
SAI2_SD_A: TP12.1 U7.E4 U8.C3 | length 1148.5
  TOP w5: U7.E4@614.84,2320.31 v4(621.14,2314.01) ; v2(715,2110) 715,2095 TP12.1@740,2070 ; v3(1226,2060.5) 1225.5,2060 1225.5,2034.5 1243.38,2016.62 1243.38,2004.53 1251.29,1996.62 1261.06,1996.62 1268.96,1988.72 1268.96,1971.04 U8.C3@1282.05,1957.95
  L4_SIG w4: v4(621.14,2314.01) 660.99,2314.01 775,2200 775,2170 v2(715,2110)
  BOTTOM w5: v2(715,2110) 725,2110 742.5,2127.5 769.69,2127.5 831.69,2189.5 877.84,2189.5 893.34,2205 1087.44,2205 1113.94,2178.5 1161.3,2178.5 1209,2130.8 1209,2091 1226,2074 v3(1226,2060.5)
SAI2_SD_B: TP4.1 U7.F2 U8.B10 | length 1257.4
  TOP w4: U8.B10@1461.18,1983.54 1474.63,1996.99 1474.63,2040
  TOP w5: U7.F2@634.53,2280.94 v4(640.83,2274.64) ; v2(1462,2305) 1465,2302 TP4.1@1465,2255 1465,2190 1497,2158 1497,2085.3 1487,2075.3 1487,2052.37 1474.63,2040
  BOTTOM w5: v4(640.83,2274.64) 656.47,2259 695.22,2259 791.22,2355 1221.54,2355 1235.54,2341 1312.64,2341 1333.64,2320 1368,2320 1394.5,2293.5 1450.5,2293.5 v2(1462,2305)
STLINK_RX: SB9.2 U2.13 | length 101.8
  TOP w5: U2.13@1686.73,2853.74 1686.73,2799.27 1696.19,2789.81 SB9.2@1696.19,2755.83
STLINK_TX: SB8.2 U2.12 | length 161.9
  TOP w5: U2.12@1623.74,2916.73 1626.19,2914.28 SB8.2@1626.19,2755.83
STM_JTCK: CN2.2 U2.37 | length 1156
  TOP w5: U2.37@1903.27,3196.26 1903.27,3213.27 1920,3230 v2(1939.7,3230)
  L4_SIG w4: v2(1939.7,3230) 1940,3230 1984,3186 2019,3186 2033,3200 2055,3200 2400,3545 2400,3700 2454,3754 2637.64,3754 CN2.2@2675.41,3716.23
STM_JTMS: CN2.4 U2.34 | length 877.1
  TOP w5: U2.34@1966.26,3093.9 2018.9,3093.9 2070,3145 v2(2070,3175)
  L4_SIG w4: v2(2070,3175) 2070,3190 2417,3537 2417,3680 2453.23,3716.23 CN2.4@2475.41,3716.23
STM_RST: C7.2 R24.1 SB6.2 U2.7 | length 186.8
  TOP w5: SB6.2@1496.19,2935.83 1500.36,2940 R24.1@1550,2940 C7.2@1550,2985 1580.16,3015.16 U2.7@1623.74,3015.16
STMOD+_ADC_DAC: P1.13 SB28.1 | length 167.3
  BOTTOM w5: SB28.1@2753.01,2579.67 2865.93,2579.67 P1.13@2904.37,2618.11
STMOD+_I2C2_SCL: P1.7 SB25.2 | length 81.1
  BOTTOM w5: SB25.2@2745.83,2936.19 2822.51,2936.19 P1.7@2825.63,2933.07
STMOD+_I2C2_SDA: P1.10 SB27.2 | length 67.4
  BOTTOM w5: 2760,3165 2821.34,3165 P1.10@2825.63,3169.29

## Text inside footprints (layer, text, board x,y; h text height)
R40: LIB_UNEVALUATED "Remark: ***" at 2132,2098 h25 r180; LIB_UNEVALUATED "Rev   : B1" at 2132,2058 h25 r180; LIB_UNEVALUATED "Date  : 2007-05-10" at 2132,2018 h25 r180; LIB_UNEVALUATED "Creat : Sofer Tech" at 2132,1978 h25 r180; LIB_UNEVALUATED "Ref PN: ***" at 2132,1938 h25 r180; LIB_UNEVALUATED "Sofer Lib Information" at 2162,1888 h25 r180; LIB_UNEVALUATED "Approved" at 1893,2160 h35 r180; LIB_UNEVALUATED "R0603" at 1945,2225 h30 r180; LIB_UNEVALUATED "2" at 1971.6,2173.33 h16 r180; LIB_UNEVALUATED "1" at 2025.6,2173.33 h16 r180
R41: LIB_UNEVALUATED "1" at 830,2161.4 h16 r180; LIB_UNEVALUATED "2" at 790,2161.4 h16 r180; LIB_UNEVALUATED "Creat : Sofer Tech" at 916,1983 h25 r180; LIB_UNEVALUATED "Sofer Lib Information" at 946,1893 h25 r180; LIB_UNEVALUATED "Ref PN: ***" at 916,1943 h25 r180; LIB_UNEVALUATED "Date  : 2007-11-24" at 916,2023 h25 r180; LIB_UNEVALUATED "Rev   : A4" at 916,2063 h25 r180; LIB_UNEVALUATED "Remark: ***" at 916,2103 h25 r180; LIB_UNEVALUATED "R0402" at 810,2260 h25 r180; LIB_UNEVALUATED "Approved" at 775,2277 h35 r180; ASSEMBLY_TOP "47K_1%_0402" at 810,2253 h20 r180
R42: LIB_UNEVALUATED "1" at 1213.6,2165 h16 r270; LIB_UNEVALUATED "2" at 1213.6,2125 h16 r270; LIB_UNEVALUATED "Creat : Sofer Tech" at 1392,2251 h25 r270; LIB_UNEVALUATED "Sofer Lib Information" at 1482,2281 h25 r270; LIB_UNEVALUATED "Ref PN: ***" at 1432,2251 h25 r270; LIB_UNEVALUATED "Date  : 2007-11-24" at 1352,2251 h25 r270; LIB_UNEVALUATED "Rev   : A4" at 1312,2251 h25 r270; LIB_UNEVALUATED "Remark: ***" at 1272,2251 h25 r270; LIB_UNEVALUATED "R0402" at 1115,2145 h25 r270; LIB_UNEVALUATED "Approved" at 1098,2110 h35 r270; ASSEMBLY_TOP "47K_1%_0402" at 1122,2145 h20 r270
R43: LIB_UNEVALUATED "1" at 1258.6,2165 h16 r270; LIB_UNEVALUATED "2" at 1258.6,2125 h16 r270; LIB_UNEVALUATED "Creat : Sofer Tech" at 1437,2251 h25 r270; LIB_UNEVALUATED "Sofer Lib Information" at 1527,2281 h25 r270; LIB_UNEVALUATED "Ref PN: ***" at 1477,2251 h25 r270; LIB_UNEVALUATED "Date  : 2007-11-24" at 1397,2251 h25 r270; LIB_UNEVALUATED "Rev   : A4" at 1357,2251 h25 r270; LIB_UNEVALUATED "Remark: ***" at 1317,2251 h25 r270; LIB_UNEVALUATED "R0402" at 1160,2145 h25 r270; LIB_UNEVALUATED "Approved" at 1143,2110 h35 r270; ASSEMBLY_TOP "47K_1%_0402" at 1167,2145 h20 r270
R44: LIB_UNEVALUATED "1" at 1303.6,2165 h16 r270; LIB_UNEVALUATED "2" at 1303.6,2125 h16 r270; LIB_UNEVALUATED "Creat : Sofer Tech" at 1482,2251 h25 r270; LIB_UNEVALUATED "Sofer Lib Information" at 1572,2281 h25 r270; LIB_UNEVALUATED "Ref PN: ***" at 1522,2251 h25 r270; LIB_UNEVALUATED "Date  : 2007-11-24" at 1442,2251 h25 r270; LIB_UNEVALUATED "Rev   : A4" at 1402,2251 h25 r270; LIB_UNEVALUATED "Remark: ***" at 1362,2251 h25 r270; LIB_UNEVALUATED "R0402" at 1205,2145 h25 r270; LIB_UNEVALUATED "Approved" at 1188,2110 h35 r270; ASSEMBLY_TOP "47K_1%_0402" at 1212,2145 h20 r270
R45: LIB_UNEVALUATED "1" at 1348.6,2165 h16 r270; LIB_UNEVALUATED "2" at 1348.6,2125 h16 r270; LIB_UNEVALUATED "Creat : Sofer Tech" at 1527,2251 h25 r270; LIB_UNEVALUATED "Sofer Lib Information" at 1617,2281 h25 r270; LIB_UNEVALUATED "Ref PN: ***" at 1567,2251 h25 r270; LIB_UNEVALUATED "Date  : 2007-11-24" at 1487,2251 h25 r270; LIB_UNEVALUATED "Rev   : A4" at 1447,2251 h25 r270; LIB_UNEVALUATED "Remark: ***" at 1407,2251 h25 r270; LIB_UNEVALUATED "R0402" at 1250,2145 h25 r270; LIB_UNEVALUATED "Approved" at 1233,2110 h35 r270; ASSEMBLY_TOP "47K_1%_0402" at 1257,2145 h20 r270
R46: LIB_UNEVALUATED "1" at 555.6,2146 h16 r270; LIB_UNEVALUATED "2" at 555.6,2106 h16 r270; LIB_UNEVALUATED "Creat : Sofer Tech" at 734,2232 h25 r270; LIB_UNEVALUATED "Sofer Lib Information" at 824,2262 h25 r270; LIB_UNEVALUATED "Ref PN: ***" at 774,2232 h25 r270; LIB_UNEVALUATED "Date  : 2007-11-24" at 694,2232 h25 r270; LIB_UNEVALUATED "Rev   : A4" at 654,2232 h25 r270; LIB_UNEVALUATED "Remark: ***" at 614,2232 h25 r270; LIB_UNEVALUATED "R0402" at 457,2126 h25 r270; LIB_UNEVALUATED "Approved" at 440,2091 h35 r270; ASSEMBLY_TOP "47K_1%_0402" at 464,2126 h20 r270
R47: LIB_UNEVALUATED "1" at 270,2028.6 h16; LIB_UNEVALUATED "2" at 210,2028.6 h16; LIB_UNEVALUATED "R0603" at 240,1910 h30; LIB_UNEVALUATED "Approved" at 240,1923 h35; LIB_UNEVALUATED "Sofer Lib Information" at 397,2307 h25; LIB_UNEVALUATED "Ref PN: ***" at 367,2257 h25; LIB_UNEVALUATED "Creat : Sofer Tech" at 367,2217 h25; LIB_UNEVALUATED "Date  : 2007-05-10" at 367,2177 h25; LIB_UNEVALUATED "Rev   : B1" at 367,2137 h25; LIB_UNEVALUATED "Remark: ***" at 367,2097 h25; ASSEMBLY_TOP "620_1%_0603" at 240,1937 h20
R48: LIB_UNEVALUATED "1" at 270,1938.6 h16; LIB_UNEVALUATED "2" at 210,1938.6 h16; LIB_UNEVALUATED "R0603" at 240,1820 h30; LIB_UNEVALUATED "Approved" at 240,1833 h35; LIB_UNEVALUATED "Sofer Lib Information" at 397,2217 h25; LIB_UNEVALUATED "Ref PN: ***" at 367,2167 h25; LIB_UNEVALUATED "Creat : Sofer Tech" at 367,2127 h25; LIB_UNEVALUATED "Date  : 2007-05-10" at 367,2087 h25; LIB_UNEVALUATED "Rev   : B1" at 367,2047 h25; LIB_UNEVALUATED "Remark: ***" at 367,2007 h25; ASSEMBLY_TOP "620_1%_0603" at 240,1847 h20
R49: LIB_UNEVALUATED "1" at 1060,1908.6 h16; LIB_UNEVALUATED "2" at 1100,1908.6 h16; LIB_UNEVALUATED "Creat : Sofer Tech" at 974,2087 h25; LIB_UNEVALUATED "Sofer Lib Information" at 944,2177 h25; LIB_UNEVALUATED "Ref PN: ***" at 974,2127 h25; LIB_UNEVALUATED "Date  : 2007-11-24" at 974,2047 h25; LIB_UNEVALUATED "Rev   : A4" at 974,2007 h25; LIB_UNEVALUATED "Remark: ***" at 974,1967 h25; LIB_UNEVALUATED "R0402" at 1080,1810 h25; LIB_UNEVALUATED "Approved" at 1115,1793 h35; ASSEMBLY_TOP "47K_1%_0402" at 1080,1817 h20
R50: LIB_UNEVALUATED "1" at 1060,1868.6 h16; LIB_UNEVALUATED "2" at 1100,1868.6 h16; LIB_UNEVALUATED "Creat : Sofer Tech" at 974,2047 h25; LIB_UNEVALUATED "Sofer Lib Information" at 944,2137 h25; LIB_UNEVALUATED "Ref PN: ***" at 974,2087 h25; LIB_UNEVALUATED "Date  : 2007-11-24" at 974,2007 h25; LIB_UNEVALUATED "Rev   : A4" at 974,1967 h25; LIB_UNEVALUATED "Remark: ***" at 974,1927 h25; LIB_UNEVALUATED "R0402" at 1080,1770 h25; LIB_UNEVALUATED "Approved" at 1115,1753 h35; ASSEMBLY_TOP "47K_1%_0402" at 1080,1777 h20
R51: LIB_UNEVALUATED "1" at 1065,1798.6 h16; LIB_UNEVALUATED "2" at 1105,1798.6 h16; LIB_UNEVALUATED "Creat : Sofer Tech" at 979,1977 h25; LIB_UNEVALUATED "Sofer Lib Information" at 949,2067 h25; LIB_UNEVALUATED "Ref PN: ***" at 979,2017 h25; LIB_UNEVALUATED "Date  : 2007-11-24" at 979,1937 h25; LIB_UNEVALUATED "Rev   : A4" at 979,1897 h25; LIB_UNEVALUATED "Remark: ***" at 979,1857 h25; LIB_UNEVALUATED "R0402" at 1085,1700 h25; LIB_UNEVALUATED "Approved" at 1120,1683 h35; ASSEMBLY_TOP "47K_1%_0402" at 1085,1707 h20
R52: LIB_UNEVALUATED "1" at 1865,1836.4 h16 r180; LIB_UNEVALUATED "2" at 1825,1836.4 h16 r180; LIB_UNEVALUATED "Creat : Sofer Tech" at 1951,1658 h25 r180; LIB_UNEVALUATED "Sofer Lib Information" at 1981,1568 h25 r180; LIB_UNEVALUATED "Ref PN: ***" at 1951,1618 h25 r180; LIB_UNEVALUATED "Date  : 2007-11-24" at 1951,1698 h25 r180; LIB_UNEVALUATED "Rev   : A4" at 1951,1738 h25 r180; LIB_UNEVALUATED "Remark: ***" at 1951,1778 h25 r180; LIB_UNEVALUATED "R0402" at 1845,1935 h25 r180; LIB_UNEVALUATED "Approved" at 1810,1952 h35 r180; ASSEMBLY_TOP "47K_1%_0402" at 1845,1928 h20 r180
R53: LIB_UNEVALUATED "1" at 2421.4,1765 h16 r90; LIB_UNEVALUATED "2" at 2421.4,1805 h16 r90; LIB_UNEVALUATED "Creat : Sofer Tech" at 2243,1679 h25 r90; LIB_UNEVALUATED "Sofer Lib Information" at 2153,1649 h25 r90; LIB_UNEVALUATED "Ref PN: ***" at 2203,1679 h25 r90; LIB_UNEVALUATED "Date  : 2007-11-24" at 2283,1679 h25 r90; LIB_UNEVALUATED "Rev   : A4" at 2323,1679 h25 r90; LIB_UNEVALUATED "Remark: ***" at 2363,1679 h25 r90; LIB_UNEVALUATED "R0402" at 2520,1785 h25 r90; LIB_UNEVALUATED "Approved" at 2537,1820 h35 r90; ASSEMBLY_TOP "47K_1%_0402" at 2513,1785 h20 r90
R54: LIB_UNEVALUATED "1" at 1825,1733.6 h16; LIB_UNEVALUATED "2" at 1865,1733.6 h16; LIB_UNEVALUATED "Creat : Sofer Tech" at 1739,1912 h25; LIB_UNEVALUATED "Sofer Lib Information" at 1709,2002 h25; LIB_UNEVALUATED "Ref PN: ***" at 1739,1952 h25; LIB_UNEVALUATED "Date  : 2007-11-24" at 1739,1872 h25; LIB_UNEVALUATED "Rev   : A4" at 1739,1832 h25; LIB_UNEVALUATED "Remark: ***" at 1739,1792 h25; LIB_UNEVALUATED "R0402" at 1845,1635 h25; LIB_UNEVALUATED "Approved" at 1880,1618 h35; ASSEMBLY_TOP "47K_1%_0402" at 1845,1642 h20
R55: LIB_UNEVALUATED "1" at 990,1661.4 h16 r180; LIB_UNEVALUATED "2" at 950,1661.4 h16 r180; LIB_UNEVALUATED "Creat : Sofer Tech" at 1076,1483 h25 r180; LIB_UNEVALUATED "Sofer Lib Information" at 1106,1393 h25 r180; LIB_UNEVALUATED "Ref PN: ***" at 1076,1443 h25 r180; LIB_UNEVALUATED "Date  : 2007-11-24" at 1076,1523 h25 r180; LIB_UNEVALUATED "Rev   : A4" at 1076,1563 h25 r180; LIB_UNEVALUATED "Remark: ***" at 1076,1603 h25 r180; LIB_UNEVALUATED "R0402" at 970,1760 h25 r180; LIB_UNEVALUATED "Approved" at 935,1777 h35 r180; ASSEMBLY_TOP "47K_1%_0402" at 970,1753 h20 r180
R56: LIB_UNEVALUATED "1" at 1825,1648.6 h16; LIB_UNEVALUATED "2" at 1865,1648.6 h16; LIB_UNEVALUATED "Creat : Sofer Tech" at 1739,1827 h25; LIB_UNEVALUATED "Sofer Lib Information" at 1709,1917 h25; LIB_UNEVALUATED "Ref PN: ***" at 1739,1867 h25; LIB_UNEVALUATED "Date  : 2007-11-24" at 1739,1787 h25; LIB_UNEVALUATED "Rev   : A4" at 1739,1747 h25; LIB_UNEVALUATED "Remark: ***" at 1739,1707 h25; LIB_UNEVALUATED "R0402" at 1845,1550 h25; LIB_UNEVALUATED "Approved" at 1880,1533 h35; ASSEMBLY_TOP "47K_1%_0402" at 1845,1557 h20
R57: LIB_UNEVALUATED "1" at 1110,1656.4 h16 r180; LIB_UNEVALUATED "2" at 1070,1656.4 h16 r180; LIB_UNEVALUATED "Creat : Sofer Tech" at 1196,1478 h25 r180; LIB_UNEVALUATED "Sofer Lib Information" at 1226,1388 h25 r180; LIB_UNEVALUATED "Ref PN: ***" at 1196,1438 h25 r180; LIB_UNEVALUATED "Date  : 2007-11-24" at 1196,1518 h25 r180; LIB_UNEVALUATED "Rev   : A4" at 1196,1558 h25 r180; LIB_UNEVALUATED "Remark: ***" at 1196,1598 h25 r180; LIB_UNEVALUATED "R0402" at 1090,1755 h25 r180; LIB_UNEVALUATED "Approved" at 1055,1772 h35 r180; ASSEMBLY_TOP "47K_1%_0402" at 1090,1748 h20 r180
R58: LIB_UNEVALUATED "1" at 720,1598.6 h16; LIB_UNEVALUATED "2" at 760,1598.6 h16; LIB_UNEVALUATED "Creat : Sofer Tech" at 634,1777 h25; LIB_UNEVALUATED "Sofer Lib Information" at 604,1867 h25; LIB_UNEVALUATED "Ref PN: ***" at 634,1817 h25; LIB_UNEVALUATED "Date  : 2007-11-24" at 634,1737 h25; LIB_UNEVALUATED "Rev   : A4" at 634,1697 h25; LIB_UNEVALUATED "Remark: ***" at 634,1657 h25; LIB_UNEVALUATED "R0402" at 740,1500 h25; LIB_UNEVALUATED "Approved" at 775,1483 h35; ASSEMBLY_TOP "47K_1%_0402" at 740,1507 h20
R59: LIB_UNEVALUATED "1" at 995,1556.4 h16 r180; LIB_UNEVALUATED "2" at 955,1556.4 h16 r180; LIB_UNEVALUATED "Creat : Sofer Tech" at 1081,1378 h25 r180; LIB_UNEVALUATED "Sofer Lib Information" at 1111,1288 h25 r180; LIB_UNEVALUATED "Ref PN: ***" at 1081,1338 h25 r180; LIB_UNEVALUATED "Date  : 2007-11-24" at 1081,1418 h25 r180; LIB_UNEVALUATED "Rev   : A4" at 1081,1458 h25 r180; LIB_UNEVALUATED "Remark: ***" at 1081,1498 h25 r180; LIB_UNEVALUATED "R0402" at 975,1655 h25 r180; LIB_UNEVALUATED "Approved" at 940,1672 h35 r180; ASSEMBLY_TOP "47K_1%_0402" at 975,1648 h20 r180
R60: LIB_UNEVALUATED "1" at 1110,1611.4 h16 r180; LIB_UNEVALUATED "2" at 1070,1611.4 h16 r180; LIB_UNEVALUATED "Creat : Sofer Tech" at 1196,1433 h25 r180; LIB_UNEVALUATED "Sofer Lib Information" at 1226,1343 h25 r180; LIB_UNEVALUATED "Ref PN: ***" at 1196,1393 h25 r180; LIB_UNEVALUATED "Date  : 2007-11-24" at 1196,1473 h25 r180; LIB_UNEVALUATED "Rev   : A4" at 1196,1513 h25 r180; LIB_UNEVALUATED "Remark: ***" at 1196,1553 h25 r180; LIB_UNEVALUATED "R0402" at 1090,1710 h25 r180; LIB_UNEVALUATED "Approved" at 1055,1727 h35 r180; ASSEMBLY_TOP "47K_1%_0402" at 1090,1703 h20 r180
R61: LIB_UNEVALUATED "1" at 1070,1553.6 h16; LIB_UNEVALUATED "2" at 1110,1553.6 h16; LIB_UNEVALUATED "Creat : Sofer Tech" at 984,1732 h25; LIB_UNEVALUATED "Sofer Lib Information" at 954,1822 h25; LIB_UNEVALUATED "Ref PN: ***" at 984,1772 h25; LIB_UNEVALUATED "Date  : 2007-11-24" at 984,1692 h25; LIB_UNEVALUATED "Rev   : A4" at 984,1652 h25; LIB_UNEVALUATED "Remark: ***" at 984,1612 h25; LIB_UNEVALUATED "R0402" at 1090,1455 h25; LIB_UNEVALUATED "Approved" at 1125,1438 h35; ASSEMBLY_TOP "47K_1%_0402" at 1090,1462 h20
R62: LIB_UNEVALUATED "2" at 1175.51,1345 h25; LIB_UNEVALUATED "1" at 1114.49,1345 h25
R63: LIB_UNEVALUATED "1" at 1948.6,985 h16 r270; LIB_UNEVALUATED "2" at 1948.6,925 h16 r270; LIB_UNEVALUATED "R0603" at 1830,955 h30 r270; LIB_UNEVALUATED "Approved" at 1843,955 h35 r270; LIB_UNEVALUATED "Sofer Lib Information" at 2227,1112 h25 r270; LIB_UNEVALUATED "Ref PN: ***" at 2177,1082 h25 r270; LIB_UNEVALUATED "Creat : Sofer Tech" at 2137,1082 h25 r270; LIB_UNEVALUATED "Date  : 2007-05-10" at 2097,1082 h25 r270; LIB_UNEVALUATED "Rev   : B1" at 2057,1082 h25 r270; LIB_UNEVALUATED "Remark: ***" at 2017,1082 h25 r270; ASSEMBLY_TOP "620_1%_0603" at 1857,955 h20 r270
R64: LIB_UNEVALUATED "2" at 1745,980.51 h25 r90; LIB_UNEVALUATED "1" at 1745,919.49 h25 r90
R65: LIB_UNEVALUATED "2" at 2030,980.51 h25 r90; LIB_UNEVALUATED "1" at 2030,919.49 h25 r90
R66: LIB_UNEVALUATED "1" at 843.6,925 h16 r270; LIB_UNEVALUATED "2" at 843.6,865 h16 r270; LIB_UNEVALUATED "R0603" at 725,895 h30 r270; LIB_UNEVALUATED "Approved" at 738,895 h35 r270; LIB_UNEVALUATED "Sofer Lib Information" at 1122,1052 h25 r270; LIB_UNEVALUATED "Ref PN: ***" at 1072,1022 h25 r270; LIB_UNEVALUATED "Creat : Sofer Tech" at 1032,1022 h25 r270; LIB_UNEVALUATED "Date  : 2007-05-10" at 992,1022 h25 r270; LIB_UNEVALUATED "Rev   : B1" at 952,1022 h25 r270; LIB_UNEVALUATED "Remark: ***" at 912,1022 h25 r270; ASSEMBLY_TOP "620_1%_0603" at 752,895 h20 r270
R67: LIB_UNEVALUATED "1" at 898.6,910 h16 r270; LIB_UNEVALUATED "2" at 898.6,870 h16 r270; LIB_UNEVALUATED "Creat : Sofer Tech" at 1077,996 h25 r270; LIB_UNEVALUATED "Sofer Lib Information" at 1167,1026 h25 r270; LIB_UNEVALUATED "Ref PN: ***" at 1117,996 h25 r270; LIB_UNEVALUATED "Date  : 2007-11-24" at 1037,996 h25 r270; LIB_UNEVALUATED "Rev   : A4" at 997,996 h25 r270; LIB_UNEVALUATED "Remark: ***" at 957,996 h25 r270; LIB_UNEVALUATED "R0402" at 800,890 h25 r270; LIB_UNEVALUATED "Approved" at 783,855 h35 r270; ASSEMBLY_TOP "47K_1%_0402" at 807,890 h20 r270
R68: LIB_UNEVALUATED "1" at 1975,678.6 h16; LIB_UNEVALUATED "2" at 2015,678.6 h16; LIB_UNEVALUATED "Creat : Sofer Tech" at 1889,857 h25; LIB_UNEVALUATED "Sofer Lib Information" at 1859,947 h25; LIB_UNEVALUATED "Ref PN: ***" at 1889,897 h25; LIB_UNEVALUATED "Date  : 2007-11-24" at 1889,817 h25; LIB_UNEVALUATED "Rev   : A4" at 1889,777 h25; LIB_UNEVALUATED "Remark: ***" at 1889,737 h25; LIB_UNEVALUATED "R0402" at 1995,580 h25; LIB_UNEVALUATED "Approved" at 2030,563 h35; ASSEMBLY_TOP "47K_1%_0402" at 1995,587 h20
R69: LIB_UNEVALUATED "1" at 1090,631.4 h16 r180; LIB_UNEVALUATED "2" at 1050,631.4 h16 r180; LIB_UNEVALUATED "Creat : Sofer Tech" at 1176,453 h25 r180; LIB_UNEVALUATED "Sofer Lib Information" at 1206,363 h25 r180; LIB_UNEVALUATED "Ref PN: ***" at 1176,413 h25 r180; LIB_UNEVALUATED "Date  : 2007-11-24" at 1176,493 h25 r180; LIB_UNEVALUATED "Rev   : A4" at 1176,533 h25 r180; LIB_UNEVALUATED "Remark: ***" at 1176,573 h25 r180; LIB_UNEVALUATED "R0402" at 1070,730 h25 r180; LIB_UNEVALUATED "Approved" at 1035,747 h35 r180; ASSEMBLY_TOP "47K_1%_0402" at 1070,723 h20 r180